# Altium PCB 400150.PcbDoc (part 1 of 3) (continued)
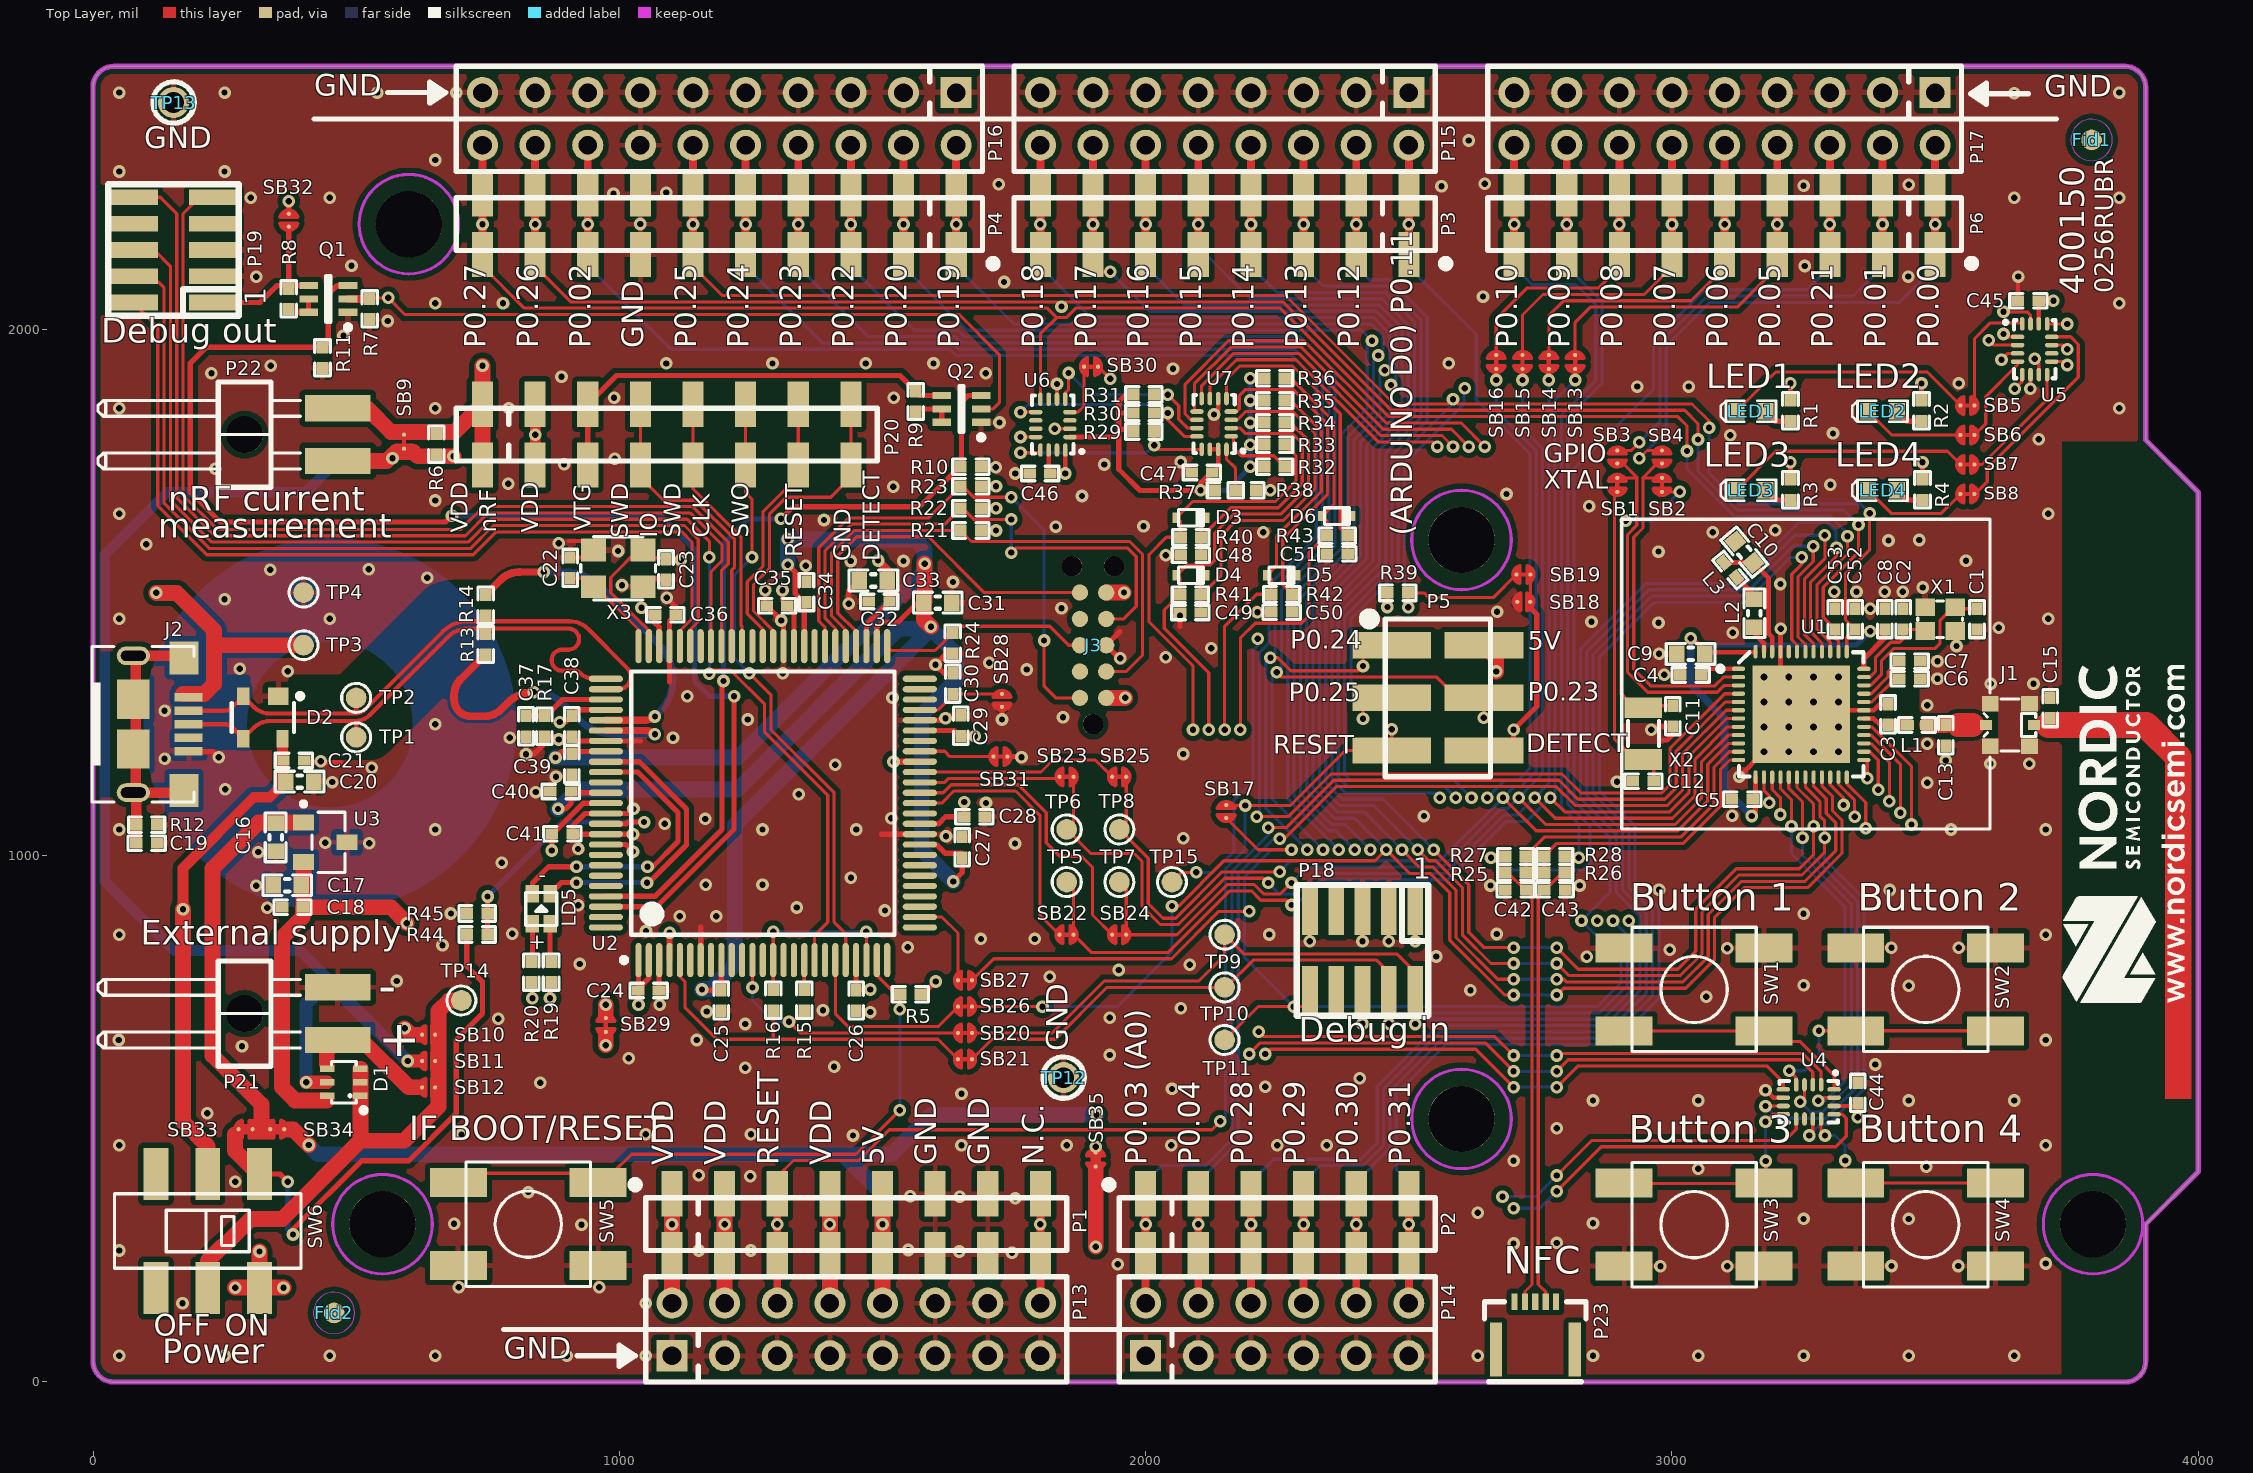
[diagram p0: Top Layer view]
## Footprints (in the part's own frame and the unit in brackets; to place one, negate y for a bottom-side part, rotate by r counter-clockwise, add the part's x,y. Pads: shape width x height; smd on the part's side, far side on the other; paste and mask are expansions set on the pad) (continued)
  rect 0.6x0.55 smd: 1(-0.5,0) 2(0.5,0)
  silkscreen extent -0.87,-0.38 0.88,0.38, body extent -0.5,-0.25 0.5,0.25, height 0.3
SOCKET_1x6_SMD [mm] "Socket, 2.54mm, SMD"
  rect 1.02x2.19 smd: 1(0,-1.465) 1(0,1.465) 2(2.54,-1.465) 2(2.54,1.465) 3(5.08,-1.465) 3(5.08,1.465) 4(7.62,-1.465) 4(7.62,1.465) 5(10.16,-1.465) 5(10.16,1.465) 6(12.7,1.465) 6(12.7,-1.465)
  silkscreen extent -1.27,-1.27 13.97,1.27, body extent -1.27,-2.29 13.97,2.29, height 7.47
SOCKET_1x8_SMD [mm] "Socket, 2.54mm, SMD"
  rect 1.02x2.19 smd: 1(0,-1.465) 1(0,1.465) 2(2.54,-1.465) 2(2.54,1.465) 3(5.08,-1.465) 3(5.08,1.465) 4(7.62,-1.465) 4(7.62,1.465) 5(10.16,-1.465) 5(10.16,1.465) 6(12.7,1.465) 6(12.7,-1.465) 7(15.24,-1.465) 7(15.24,1.465) 8(17.78,-1.465) 8(17.78,1.465)
  silkscreen extent -1.27,-1.27 19.05,1.27, body extent -1.27,-2.29 19.05,2.29, height 7.47
SOCKET_1x9_SMD [mm] "Socket, 2.54mm, SMD"
  rect 1.02x2.19 smd: 1(0,1.465) 1(0,-1.465) 2(2.54,-1.465) 2(2.54,1.465) 3(5.08,-1.465) 3(5.08,1.465) 4(7.62,-1.465) 4(7.62,1.465) 5(10.16,-1.465) 5(10.16,1.465) 6(12.7,1.465) 6(12.7,-1.465) 7(15.24,-1.465) 7(15.24,1.465) 8(17.78,-1.465) 8(17.78,1.465) 9(20.32,-1.465) 9(20.32,1.465)
  silkscreen extent -1.27,-1.27 21.59,1.27, body extent -1.26,-2.3 21.6,2.28, height 7.47
SOCKET_1x10_SMD [mm] "Socket, 2.54mm, SMD"
  rect 1.02x2.19 smd: 1(0,1.465) 1(0,-1.465) 2(2.54,-1.465) 2(2.54,1.465) 3(5.08,-1.465) 3(5.08,1.465) 4(7.62,-1.465) 4(7.62,1.465) 5(10.16,-1.465) 5(10.16,1.465) 6(12.7,-1.465) 6(12.7,1.465) 7(15.24,-1.465) 7(15.24,1.465) 8(17.78,-1.465) 8(17.78,1.465) 9(20.32,-1.465) 9(20.32,1.465) 10(22.86,-1.465) 10(22.86,1.465)
  silkscreen extent -1.27,-1.27 24.13,1.27, body extent -1.27,-2.29 24.13,2.29, height 7.47
SOCKET_2x3_SMD-2.54mm-bottom-NC [mm] "Socket, 2.54mm, SMD"
  rect 1.02x2.22 smd far side: 1(-2.54,-2.825) 2(-2.54,2.825) 3(0,-2.825) 4(0,2.825) 5(2.54,-2.825) 6(2.54,2.825)
SOD-523 [mm]
  rect 0.4x0.5 smd: 1(0.7,0) 3(-0.7,0)
  silkscreen extent -0.6,-0.4 0.6,0.4, body extent -0.8,-0.4 0.8,0.4, height 0.7
Solderbridge#1 [mm]
  round 0.2 smd paste-10: 1(-0.312,0) 2(0.312,0)
  Top Layer region: -0.077,-0.432 -0.152,-0.505 -0.271,-0.467 -0.335,-0.424 -0.409,-0.351 -0.462,-0.292 -0.521,-0.193 -0.549,-0.099 -0.544,0.122 -0.518,0.193 -0.434,0.33 -0.351,0.411 -0.259,0.469 -0.157,0.5 -0.107,0.483 -0.077,0.43
  Top Layer region: 0.077,0.432 0.152,0.505 0.271,0.467 0.335,0.424 0.409,0.351 0.462,0.292 0.521,0.193 0.549,0.099 0.544,-0.122 0.518,-0.193 0.434,-0.33 0.351,-0.411 0.259,-0.469 0.157,-0.5 0.107,-0.483 0.077,-0.43
  Top Layer lines w0.152: -0.153,0.431 ccw(c-0.042,0) -0.153,-0.431 ; 0.153,0.431 cw(c0.042,0) 0.153,-0.431
Solderbridge#2 [mm]
  round 0.2 smd paste-10: 1(-0.312,0) 2(0.312,0)
  Top Layer region: -0.077,-0.432 -0.152,-0.505 -0.271,-0.467 -0.335,-0.424 -0.409,-0.351 -0.462,-0.292 -0.521,-0.193 -0.549,-0.099 -0.544,0.122 -0.518,0.193 -0.434,0.33 -0.351,0.411 -0.259,0.469 -0.157,0.5 -0.107,0.483 -0.077,0.43
  Top Layer region: 0.077,0.432 0.152,0.505 0.271,0.467 0.335,0.424 0.409,0.351 0.462,0.292 0.521,0.193 0.549,0.099 0.544,-0.122 0.518,-0.193 0.434,-0.33 0.351,-0.411 0.259,-0.469 0.157,-0.5 0.107,-0.483 0.077,-0.43
  Top Layer lines w0.152: 0.153,-0.431 ccw(c0.042,0) 0.487,0 ccw(c0.042,0) 0.153,0.431 ; -0.153,-0.431 cw(c-0.042,0) -0.487,0 cw(c-0.042,0) -0.153,0.431
Solderbridge_Shorted [mm]
  round 0.2 smd paste-10: 1(-0.338,0) 2(0.338,0)
  Top Layer region: 0.102,0.432 0.178,0.505 0.296,0.467 0.361,0.424 0.434,0.351 0.488,0.292 0.546,0.193 0.574,0.099 0.569,-0.122 0.544,-0.193 0.46,-0.33 0.376,-0.411 0.284,-0.469 0.183,-0.5 0.132,-0.483 0.102,-0.43
  Top Layer region: -0.102,-0.432 -0.178,-0.505 -0.296,-0.467 -0.361,-0.424 -0.434,-0.351 -0.488,-0.292 -0.546,-0.193 -0.574,-0.099 -0.569,0.122 -0.544,0.193 -0.46,0.33 -0.376,0.411 -0.284,0.469 -0.183,0.5 -0.132,0.483 -0.102,0.43
  Top Layer lines w0.152: -0.178,0.431 ccw(c-0.068,0) -0.178,-0.431 ; 0.178,0.431 cw(c0.068,0) 0.178,-0.431
  Top Layer lines w0.203: -0.338,0 0.338,0
Solderbridge_Shorted_Power [mm]
  round 0.2 smd paste-10: 1(-0.338,0) 2(0.338,0)
  Top Layer region: -0.102,-0.432 -0.178,-0.505 -0.296,-0.467 -0.361,-0.424 -0.434,-0.351 -0.488,-0.292 -0.546,-0.193 -0.574,-0.099 -0.569,0.122 -0.544,0.193 -0.46,0.33 -0.376,0.411 -0.284,0.469 -0.183,0.5 -0.132,0.483 -0.102,0.43
  Top Layer region: 0.102,0.432 0.178,0.505 0.296,0.467 0.361,0.424 0.434,0.351 0.488,0.292 0.546,0.193 0.574,0.099 0.569,-0.122 0.544,-0.193 0.46,-0.33 0.376,-0.411 0.284,-0.469 0.183,-0.5 0.132,-0.483 0.102,-0.43
  Top Layer lines w0.152: -0.178,-0.431 cw(c-0.068,0) -0.178,0.431 ; 0.178,-0.431 ccw(c0.068,0) 0.178,0.431
  Top Layer lines w0.508: -0.338,0 0.338,0
SOT65P210X100-6N [mm] "SOT23, 6-Leads, Body 2,2x2,4mm (max), Pitch 0,65mm, IPC Medium Density"
  rect 0.9x0.35 smd: 1(-0.95,0.65) 2(-0.95,0) 3(-0.95,-0.65) 4(0.95,-0.65) 5(0.95,0) 6(0.95,0.65)
  silkscreen extent -1.08,-1.1 0.1,1.5, body extent -1.05,-1 1.05,1, height 0.92
SOT190P230X110-4L [mm] "SOT143, 4-Leads, Body 3.0x2.5mm (max), Pitch 1.90mm, IPC High Density"
  rect 0.85x1 smd: 1(-1.025,0.75)
  rect 0.85x0.6 smd: 2(-1.025,-0.95) 3(1.025,-0.95) 4(1.025,0.95)
  silkscreen extent -1.15,-1.5 0.7,1.93, body extent -1.21,-1.46 1.21,1.46, height 1
SOT-23A [mil] "SOT-23 footprint"
  rect 30x40 smd: 1(0,0) 2(74.8,0) 3(37.4,82.68)
  silkscreen extent -39,-4 94,79, body extent -20,-5 95,87, height 39
SOT-363 [mm] "SOT-363 (SC88)"
  rect 0.3x0.7 smd: 1(-0.65,-0.8) 2(0,-0.8) 3(0.65,-0.8) 4(0.65,0.8) 5(0,0.8) 6(-0.65,0.8)
  silkscreen extent -1.47,-1.07 1,0.6, body extent -1,-1.05 1,1.05, height 0.93
Switch-PB-6.2x6.3mm-SMD [mm] "6.2×6.5mm TACT Switch, without ground connector"
  rect 2.75x1.4 smd: 1(-3.375,2) 1(3.375,2) 2(-3.375,-2) 2(3.375,-2)
  silkscreen extent -3,-3 3,3, body extent -4,-3 4,3.3, height 3.1
Switch-Slide-DPDT-8.5x3.6mm [mm] "Slide Switches - DPDT, SMD, ON-ON"
  rect 1.2x2.5 smd: 1(-2.5,-2.75) 2(0,-2.75) 3(2.5,-2.75) 4(-2.5,2.75) 5(0,2.75) 6(2.5,2.75)
  silkscreen extent -4.5,-1.8 4.5,1.8, body extent -4.52,-3.75 4.52,3.75, height 5.5
TC2050-IDC-NLFP [mil]
  round 39 hole 39 unplated: 0(-150,0) 0(150,-40) 0(150,40)
  round 31 smd paste-196.85: 1(-100,-25) 2(-50,-25) 3(0,-25) 4(50,-25) 5(100,-25) 6(100,25) 7(50,25) 8(0,25) 9(-50,25) 10(-100,25)
  Top Layer pour cut-out: -100,25 -100,-25 100,-25 100,25
TESTPAD-TH [mm]
  round 1.5 hole 1: 1(0,0)
  silkscreen extent -1,-1 1,1
TP_SMD_Ø1.0mm [mm]
  round 1 smd paste-5: 1(0,0)
  silkscreen extent -0.7,-0.7 0.7,0.7
TSQFP50P1600X1600X160-100N [mm] "TSQFP, 100-Leads, Body 16,0x16,0mm (max), Pitch 0,50mm, IPC Medium Density"
  oval 1.65x0.3 smd: 1(-7.575,6) 2(-7.575,5.5) 3(-7.575,5) 4(-7.575,4.5) 5(-7.575,4) 6(-7.575,3.5) 7(-7.575,3) 8(-7.575,2.5) 9(-7.575,2) 10(-7.575,1.5) 11(-7.575,1) 12(-7.575,0.5) 13(-7.575,0) 14(-7.575,-0.5) 15(-7.575,-1) 16(-7.575,-1.5) 17(-7.575,-2) 18(-7.575,-2.5) 19(-7.575,-3) 20(-7.575,-3.5) 21(-7.575,-4) 22(-7.575,-4.5) 23(-7.575,-5) 24(-7.575,-5.5) 25(-7.575,-6) 51(7.575,-6) 52(7.575,-5.5) 53(7.575,-5) 54(7.575,-4.5) 55(7.575,-4) 56(7.575,-3.5) 57(7.575,-3) 58(7.575,-2.5) 59(7.575,-2) 60(7.575,-1.5) 61(7.575,-1) 62(7.575,-0.5) 63(7.575,0) 64(7.575,0.5) 65(7.575,1) 66(7.575,1.5) 67(7.575,2) 68(7.575,2.5) 69(7.575,3) 70(7.575,3.5) 71(7.575,4) 72(7.575,4.5) 73(7.575,5) 74(7.575,5.5) 75(7.575,6)
  oval 0.3x1.65 smd: 26(-6,-7.575) 27(-5.5,-7.575) 28(-5,-7.575) 29(-4.5,-7.575) 30(-4,-7.575) 31(-3.5,-7.575) 32(-3,-7.575) 33(-2.5,-7.575) 34(-2,-7.575) 35(-1.5,-7.575) 36(-1,-7.575) 37(-0.5,-7.575) 38(0,-7.575) 39(0.5,-7.575) 40(1,-7.575) 41(1.5,-7.575) 42(2,-7.575) 43(2.5,-7.575) 44(3,-7.575) 45(3.5,-7.575) 46(4,-7.575) 47(4.5,-7.575) 48(5,-7.575) 49(5.5,-7.575) 50(6,-7.575) 76(6,7.575) 77(5.5,7.575) 78(5,7.575) 79(4.5,7.575) 80(4,7.575) 81(3.5,7.575) 82(3,7.575) 83(2.5,7.575) 84(2,7.575) 85(1.5,7.575) 86(1,7.575) 87(0.5,7.575) 88(0,7.575) 89(-0.5,7.575) 90(-1,7.575) 91(-1.5,7.575) 92(-2,7.575) 93(-2.5,7.575) 94(-3,7.575) 95(-3.5,7.575) 96(-4,7.575) 97(-4.5,7.575) 98(-5,7.575) 99(-5.5,7.575) 100(-6,7.575)
  silkscreen extent -7.7,-6.35 6.35,6.82, body extent -8,-8 8,8, height 1.6
USB-Micro-B-RA-SMD-PiP [mm] "Micro USB B SMT"
  rect 1.35x0.4 smd: 1(0,1.3) 2(0,0.65) 3(0,0) 4(0,-0.65) 5(0,-1.3)
  oval 1.6x0.9 hole 0.5 slot 1.2 at 0 deg: 6(-2.675,-3.3) 6(-2.675,3.3)
  oval 2x1.5 on Top Paste: 6(-2.675,-3.3) 6(-2.675,3.3)
  rect 1.55x1.9 smd: 6(-2.675,-1.2) 6(-2.675,1.2)
  rect 1.4x1.6 smd: 6(-0.225,-3.2) 6(-0.225,3.2)
  silkscreen extent -4.75,-3.75 0.25,3.75, body extent -5.28,-4.1 0.15,4.1, height 2.72
XQFN40P180X260X50-16N [mm] "QFN, 16-Leads, Body 1.80x2.60mm, Pitch 0.40mm, IPC Medium Density"
  oval 0.65x0.22 smd paste-0.02 mask+0.062: 1(-0.825,0.6) 2(-0.825,0.2) 3(-0.825,-0.2) 4(-0.825,-0.6) 9(0.825,-0.6) 10(0.825,-0.2) 11(0.825,0.2) 12(0.825,0.6)
  oval 0.22x0.65 smd paste-0.02 mask+0.062: 5(-0.6,-1.225) 6(-0.2,-1.225) 7(0.2,-1.225) 8(0.6,-1.225) 13(0.6,1.225) 14(0.2,1.225) 15(-0.2,1.225) 16(-0.6,1.225)
  silkscreen extent -1.45,-1.4 1,1.4, body extent -0.91,-1.31 0.91,1.31, height 0.55
XTAL_3215 [mm] "XTAL SMD 3.2 x 1.5 mm"
  rect 1x1.8 smd: 1(-1.25,0) 2(1.25,0)
  silkscreen extent -0.6,-0.75 0.6,0.75, body extent -1.6,-0.75 1.6,0.75, height 0.81

## Part data
Bat1: library part "Bat Holder CR2032 SMD", "Bat Holder CR2032 SMD", 2nd source part number=165-0693, Manufacturer=Comfortable, Manufacturer Part Number=BC-2001, Supplier part number="BC-2001/T & R", 2nd source Supplier=Farnell, Artikkelnr Noca=55089011, Artikkelnr Simpro=N.A., Datasheet=\\hizz\pro\app9717\Datasheet\connectores\Comfortable\BC-2001.pdf, Footprint Doc=CR2032_HOLDER_SMD, LatestRevisionDate=2016-04-21, Note="Bat Holder CR2032", Part Number="Bat Holder CR2032 SMD", Pin Count=3, Published=2009-12-12, Publisher="Nordic Semiconductor", Supplier=Cabcon
C1 C2 C11 C12 C52 C53: library part C0402-12p, "Capacitor, NP0, ±2%", Part number IPS=00000002398, Artikkelnr Noca=20029159, Artikkelnr Simpro=N.A., Footprint Doc=0402, LatestRevisionDate=2011-05-11, Note=50V, Part Number=C0402-12p, Pin Count=2, Published=2009-05-08, Publisher="Nordic Semiconductor"
C3: library part C0402-0.8p, "Capacitor, NP0, ±5%", Artikkelnr Noca=20029147, Artikkelnr Simpro=N.A., Footprint Doc=0402, LatestRevisionDate=2012-11-21, Note=50V, Part Number=C0402-0.8p, Pin Count=2, Published=2009-05-08, Publisher="Nordic Semiconductor"
C4 C5 C8 C18 C19 C21 C24 C25 C26 C27 C28 C29 C32 C34 C35 C36 C38 C39 C40 C41 C44 C45 C46 C47: library part C0402-100n, "Capacitor, X7R, ±10%", Part number IPS=00000005296, Artikkelnr Noca=20039200, Artikkelnr Simpro=N.A., Footprint Doc=0402, LatestRevisionDate=2009-11-23, Note=16V, Part Number=C0402-100n, Pin Count=2, Published=2009-05-08, Publisher="Nordic Semiconductor"
C6 C13: library part C0402-N.C., "Not mounted", Artikkelnr Noca=N.A., Artikkelnr Simpro=N.A., Assembly="Not mounted", Footprint Doc=0402, LatestRevisionDate=2009-05-08, Note="Chip Cap", Part Number=C0402-N.C., Pin Count=2, Published=2009-05-08, Publisher="Nordic Semiconductor"
C7: library part C0402-100p, "Capacitor, NP0, ±5%", Part number IPS=00000002361, Artikkelnr Noca=20029135, Artikkelnr Simpro=N.A., Footprint Doc=0402, LatestRevisionDate=2009-05-08, Note=50V, Part Number=C0402-100p, Pin Count=2, Published=2009-05-08, Publisher="Nordic Semiconductor"
C9: library part C0603-4µ7, "Capacitor, X5R, ±10%", Part number IPS=00000003141, Artikkelnr Noca=20069060, Artikkelnr Simpro=N.A., Footprint Doc=0603, LatestRevisionDate=2009-11-23, Note=6.3V, Part Number=C0603-4µ7, Pin Count=2, Published=2009-05-08, Publisher="Nordic Semiconductor"
C10 C16 C17: library part C0603-1µ0, "Capacitor, X7R, ±10%", Part number IPS=00000000616, Artikkelnr Noca=20039335, Artikkelnr Simpro=N.A., Footprint Doc=0603, LatestRevisionDate=2013-06-05, Note=16V, Part Number=C0603-1µ0, Pin Count=2, Published=2009-05-08, Publisher="Nordic Semiconductor"
C15: library part C0402-1.2p, "Capacitor, NP0, ±0.1pF", Part number IPS=00000005410, Artikkelnr Noca=20029157, Artikkelnr Simpro=N.A., Footprint Doc=0402, LatestRevisionDate=2011-05-11, Note=50V, Part Number=C0402-1.2p, Pin Count=2, Published=2009-05-08, Publisher="Nordic Semiconductor"
C20 C31 C33: library part C0603-10µ, "Capacitor, X5R, ±20%", Part number IPS=00000003029, Artikkelnr Noca=20039234, Artikkelnr Simpro=N.A., Footprint Doc=0603, LatestRevisionDate=2011-01-17, Note=6.3V, Part Number=C0603-10µ, Pin Count=2, Published=2011-01-17, Publisher="Nordic Semiconductor"
C22 C23: library part C0402-18p, "Capacitor, NP0, ±5%", Artikkelnr Noca=20029209, Artikkelnr Simpro=N.A., Footprint Doc=0402, LatestRevisionDate=2009-05-08, Note=50V, Part Number=C0402-18p, Pin Count=2, Published=2009-05-08, Publisher="Nordic Semiconductor"
C30: library part C0402-10n, "Capacitor, X7R, ±10%", Part number IPS=00000002386, Artikkelnr Noca=20039166, Artikkelnr Simpro=N.A., Footprint Doc=0402, LatestRevisionDate=2009-11-23, Note=16V, Part Number=C0402-10n, Pin Count=2, Published=2009-05-08, Publisher="Nordic Semiconductor"
C37: library part C0402-10p, "Capacitor, NP0, ±2%", 2nd source part number=185-6064, Supplier part number=712-1252-1-ND, 2nd source Supplier=Farnell, Artikkelnr Noca=20029260, Artikkelnr Simpro=N.A., Footprint Doc=0402, LatestRevisionDate=2009-05-08, Note=50V, Part Number=C0402-10p, Pin Count=2, Published=2009-05-08, Publisher="Nordic Semiconductor", Supplier=Digi-Key
C42 C43: library part C0402-300p, "Capacitor, NP0, ±5%", Supplier part number=490-3234-1-ND, Artikkelnr Noca=20020004, Artikkelnr Simpro=N.A., Footprint Doc=0402, LatestRevisionDate=2016-08-25, Note=50V, Part Number=C0402-300p, Pin Count=2, Published=2015-05-29, Publisher="Nordic Semiconductor", Supplier=Digi-Key
C48 C49 C50 C51: library part C0402-1µ0, "Capacitor, X5R, ±5%", Part number IPS=00000006569, Supplier part number=1276-1444-1-ND, Artikkelnr Noca=20039235, Artikkelnr Simpro=N.A., Footprint Doc=0402, LatestRevisionDate=2016-08-22, Note=6.3V, Part Number=C0402-1µ0, Pin Count=2, Published=2009-05-08, Publisher="Nordic Semiconductor", Supplier=Digi-Key
D1: "Surface Mount Schottky Barrier Diode Array", 2nd source part number=177-3507, Manufacturer="Diodes Incorporated", Supplier part number=SD103ATW-FDITR-ND, 2nd source Supplier=Farnell, Artikkelnr Noca=10029109, Artikkelnr Simpro=N.A., Datasheet=http://www.diodes.com/datasheets/ds30374.pdf, Footprint Doc=SOT-363, LatestRevisionDate=2012-06-15, Manufacturer Part Number=SD103ATW-7-F, Part Number=SD103ATW-7-F, Published=2012-06-15, Publisher="Nordic Semiconductor", Supplier=Digi-Key
D2: "Ultra low capacitance double rail-to-rail ESD protection diode", 2nd source part number=152-4157, Manufacturer=NXP, Supplier part number=568-4140-1-ND, 2nd source Supplier=Farnell, Artikkelnr Noca=10069015, Artikkelnr Simpro=N.A., Datasheet=http://www.farnell.com/datasheets/109718.pdf, Footprint Doc=SOT-143B, LatestRevisionDate=2012-06-11, Manufacturer Part Number=PRTR5V0U2X, Part Number=PRTR5V0U2X, Published=2012-06-11, Publisher="Nordic Semiconductor", Supplier=Digi-Key
D3 D4 D5 D6: "Diode Schottky Vf=0.38, Vr=40V, If=200mA, Ir=500nA", 2nd source part number=873-4097, Manufacturer=NXP, Supplier part number=568-5973-1-ND, 2nd source Supplier=Farnell, Artikkelnr Noca=10029120, Artikkelnr Simpro=N.A., Datasheet=http://www.nxp.com/documents/data_sheet/1PS79SB30.pdf, Footprint Doc=SOD-523, LatestRevisionDate=2016-08-26, Manufacturer Part Number=1PS79SB30.115, Part Number=1PS79SB30.115, Pin Count=2, Published=2014-09-24, Publisher="Nordic Semiconductor", Supplier=Digi-Key
Fid1 Fid2: library part Fid-Mark, "Fiducial Mark", Artikkelnr Noca=N.A., Artikkelnr Simpro=N.A., Footprint Doc=Fiducial, LatestRevisionDate=2009-12-12, Part Number=Fid-Mark, Pin Count=1, Published=2009-12-12, Publisher="Nordic Semiconductor"
J1: "Coaxial Connector with Switch", 2nd source part number=81-MM8130-2600RA2, Manufacturer=Murata, Supplier part number=490-4981-1-ND, 2nd source Supplier=Mouser, Artikkelnr Noca=55029011, Artikkelnr Simpro=N.A., Datasheet=http://www.murata.com/products/catalog/pdf/o33e.pdf, Footprint Doc=COAXIAL-SWF, LatestRevisionDate=2014-04-24, Manufacturer Part Number=MM8130-2600, Part Number=MM8130-2600, Pin Count=3, Published=2014-04-24, Publisher="Nordic Semiconductor", Supplier=Digi-Key
J2: library part USB-Micro-B-RA-SMD-PiP, "MicroUSB-B-SMT", 2nd source part number=609-4616-1-ND, Manufacturer="Allen Creations Corp.", Manufacturer Part Number=AJU55-BS2111-L, 2nd source Supplier=Digi-Key, Artikkelnr Noca=55029020, Artikkelnr Simpro=N.A., Datasheet="\\hizz\pro\app9717\Datasheet\connectores\Allen Creations Corp\AJU-211.pdf", Footprint Doc=USB-Micro-B-RA-SMD-PiP, LatestRevisionDate=2016-04-21, Part Number=USB-Micro-B-RA-SMD-PiP, Pin Count=5, Published=2014-10-07, Publisher="Nordic Semiconductor", Supplier=Cabcon, Supplier part number=AJU55-BS2111-L
J3: library part TC2050-IDC-NLFP, "CBL PLUG-OF-NAILS 10-PIN", Manufacturer="Tag-Connect LLC", Supplier part number=TC2050-IDC-NL-ND, Artikkelnr Noca=N.A., Artikkelnr Simpro=N.A., Datasheet=http://www.tag-connect.com/Materials/TC2050-IDC%20Datasheet.pdf, Footprint Doc=TC2050-IDC-NLFP, LatestRevisionDate=2012-11-21, Manufacturer Part Number=TC2050-IDC-NLFP, Part Number=TC2050-IDC-NLFP, Pin Count=10, Published=2012-11-21, Publisher="Nordic Semiconductor", Supplier=Digi-Key
L1: library part L0402-3n9, "Inductor, 170mA, ±0.1nH", Manufacturer=Murata, Manufacturer Part Number=LQP15MN3N9B02D, Supplier part number=490-1131-1-ND, Artikkelnr Noca=33029151, Artikkelnr Simpro=N.A., ComponentLink1Description=Datasheet, ComponentLink2Description="Supplier link", Datasheet=http://search.murata.co.jp/Ceramy/image/img/PDF/ENG/L0075S0084LQP15M.pdf, Footprint Doc=0402, LatestRevisionDate=2012-09-19, Note="High frequency chip inductor ±5%", Part Number=L0402-3n9, Pin Count=2, Published=2009-05-08, Publisher="Nordic Semiconductor", Supplier=Digi-Key
L2: library part L0603-10µ, "Inductor, 80mA, ±10%", 2nd source part number=178-6105, Manufacturer="Taiyo Yuden", Manufacturer Part Number=LBMF1608T100K, Supplier part number=587-1714-1-ND, 2nd source Supplier=Farnell, Artikkelnr Noca=33029314, Artikkelnr Simpro=N.A., ComponentLink1Description=Datasheet, ComponentLink2Description="Supplier link", Datasheet=http://www.yuden.co.jp/ut/product/pdf/elb2_e.pdf, Footprint Doc=0603, LatestRevisionDate=2012-09-19, Note="LBMF1608T100K 10µH 80mA 0603", Part Number=L0603-10µ, Pin Count=2, Published=2010-02-24, Publisher="Nordic Semiconductor", Supplier=Digi-Key
L3: library part L0402-15n, "Inductor, 320mA, ±5%", 2nd source part number=658-1328, Manufacturer="Taiyo Yuden", Manufacturer Part Number=HK100515NJ-T, Supplier part number=587-1521-1-ND, 2nd source Supplier=Farnell, Artikkelnr Noca=33029323, Artikkelnr Simpro=N.A., ComponentLink1Description=Datasheet, ComponentLink2Description="Supplier link", Datasheet=http://www.yuden.co.jp/productdata/catalog/en/mlci04_e.pdf, Footprint Doc=0402, LatestRevisionDate=2012-09-19, Note="High frequency chip inductor ±10%", Part Number=L0402-15n, Pin Count=2, Published=2010-07-12, Publisher="Nordic Semiconductor", Supplier=Digi-Key
LD5: library part LTST-C195KGJRKT, "Ultra bright AlInGaP Bi-Color LED", 2nd source part number=859-LTST-C195KGJRKT, Manufacturer="Lite-On Inc", Supplier part number=160-1452-1-ND, 2nd source Supplier=Mouser, Artikkelnr Noca=13019145, Artikkelnr Simpro=N.A., Datasheet=http://media.digikey.com/pdf/Data%20Sheets/Lite-On%20PDFs/LTST-C195KGJRKT.pdf, Footprint Doc=LED_DUAL_0606, LatestRevisionDate=2013-02-11, Manufacturer Part Number=LTST-C195KGJRKT, Part Number=LTST-C195KGJRKT, Pin Count=4, Published=2012-07-05, Publisher="Nordic Semiconductor", Supplier=Digi-Key
LED1 LED2 LED3 LED4: library part "LG L29K Smartled Green", "LED SMARTLED GREEN 570NM 0603", 2nd source part number=720-LGL29KG2J124Z, Manufacturer=Osram, Manufacturer Part Number="LG L29K-G2J1-24-Z", Supplier part number=475-2709-1-ND, 2nd source Supplier=Mouser, Artikkelnr Noca=13019147, Artikkelnr Simpro=N.A., Datasheet=http://www.osram-os.com/Graphics/XPic2/00077107_0.pdf, Footprint Doc=0603, LatestRevisionDate=2016-08-26, Note="2,24..5.6 mcd, Vfmin=1.7V", Part Number="LG L29K Smartled Green", Pin Count=2, Published=2014-10-28, Publisher="Nordic Semiconductor", Supplier=Digi-Key
P1 P3: library part "Socket 1x8 SMD", "Socket 1x8, 2.54mm (100mil), SMD", 2nd source part number=SSM-108-F-SV-P-TR, Manufacturer=W-CON, Manufacturer Part Number=2171-108MS0CUNR1, 2nd source Supplier=Samtec, Artikkelnr Noca=55030002, Artikkelnr Simpro=N.A., Footprint Doc=SOCKET_1x8_SMD, LatestRevisionDate=2016-01-22, Part Number="Socket 1x8 SMD", Pin Count=8, Published=2016-01-22, Publisher="Nordic Semiconductor", Supplier=Cabcon, Supplier part number=2171-108MS0CUNR1
P2: library part "Socket 1x6 SMD", "Socket 1x6, 2.54mm (100mil), SMD", 2nd source part number=SSM-106-F-SV-P-TR, Manufacturer=W-CON, Manufacturer Part Number=2171-106MS0CUNR1, 2nd source Supplier=Samtec, Artikkelnr Noca=55030001, Artikkelnr Simpro=N.A., Footprint Doc=SOCKET_1x6_SMD, LatestRevisionDate=2016-01-22, Part Number="Socket 1x6 SMD", Pin Count=6, Published=2016-01-22, Publisher="Nordic Semiconductor", Supplier=Cabcon, Supplier part number=2171-106MS0CUNR1
P4: library part "Socket 1x10 SMD", "Socket 1x10, 2.54mm (100mil), SMD", 2nd source part number=SSM-110-F-SV-P-TR, Manufacturer=W-CON, Manufacturer Part Number=2171-110MS0CUNR1, 2nd source Supplier=Samtec, Artikkelnr Noca=55030004, Artikkelnr Simpro=N.A., Footprint Doc=SOCKET_1x10_SMD, LatestRevisionDate=2016-01-22, Part Number="Socket 1x10 SMD", Pin Count=10, Published=2016-01-22, Publisher="Nordic Semiconductor", Supplier=Cabcon, Supplier part number=2171-110MS0CUNR1
P5: library part "Pin Header 2x3 SMD", "Pin Header 2x3, 2.54mm (100mil) SMD", 2nd source part number=TSM-103-01-L-DV, Manufacturer=W-CON, Manufacturer Part Number=1125-1203S0M116R1, 2nd source Supplier=Samtec, Artikkelnr Noca=55010007, Artikkelnr Simpro=N.A., Datasheet=\\hizz\pro\app9717\Datasheet\connectores\W-CON\1125-12XXXXMXXXXX.PDF, Footprint Doc=HDR_2x3-SMD, LatestRevisionDate=2016-01-22, Note=SMD, Part Number="Pin Header 2x3 SMD", Pin Count=6, Published=2016-01-22, Publisher="Nordic Semiconductor", Supplier=Cabcon, Supplier part number=1125-1203S0M116R1
P6: library part "Socket 1x9 SMD", "Socket 1x9, 2.54mm (100mil), SMD", 2nd source part number=SSM-109-L-SV, Manufacturer=W-CON, Manufacturer Part Number=2171-109MS0CUNR1, 2nd source Supplier=Samtec, Artikkelnr Noca=55030003, Artikkelnr Simpro=N.A., Footprint Doc=SOCKET_1x9_SMD, LatestRevisionDate=2016-01-22, Part Number="Socket 1x9 SMD", Pin Count=9, Published=2016-01-22, Publisher="Nordic Semiconductor", Supplier=Cabcon, Supplier part number=2171-109MS0CUNR1
P7 P9: library part "Pin List 1x8 SMD, N.C.", "Pin List 1x8, 2.54mm (100mil), SMD", 2nd source part number=TSM-108-01-L-SV-P-TR, Manufacturer=W-CON, Manufacturer Part Number=1125-1108S0M116R2, 2nd source Supplier=Samtec, Artikkelnr Noca=55010006, Artikkelnr Simpro=N.A., Assembly="Not mounted", Datasheet=\\hizz\pro\app9717\Datasheet\connectores\W-CON\1125-11XXXXMXXXXX.pdf, Footprint Doc=LIST_1x8_SMD, LatestRevisionDate=2016-01-22, Part Number="Pin List 1x8 SMD, N.C.", Pin Count=8, Published=2016-01-22, Publisher="Nordic Semiconductor", Supplier=Cabcon, Supplier part number=1125-1108S0M116R2
P8: library part "Pin List 1x6 SMD, N.C.", "Pin List 1x6, 2.54mm (100mil), SMD", 2nd source part number=TSM-106-01-L-SV-P-TR, Manufacturer=W-CON, Manufacturer Part Number=1125-1106S0M116R2, 2nd source Supplier=Samtec, Artikkelnr Noca=55010026, Artikkelnr Simpro=N.A., Assembly="Not mounted", Datasheet=\\hizz\pro\app9717\Datasheet\connectores\W-CON\1125-11XXXXMXXXXX.pdf, Footprint Doc=LIST_1x6_SMD, LatestRevisionDate=2016-03-29, Part Number="Pin List 1x6 SMD, N.C.", Pin Count=6, Published=2016-03-29, Publisher="Nordic Semiconductor", Supplier=Cabcon, Supplier part number=1125-1106S0M116R2
P10: library part "Pin List 1x10 SMD, N.C.", "Pin List 1x10, 2.54mm (100mil), SMD", 2nd source part number=TSM-110-01-L-SV-P-TR, Manufacturer=W-CON, Manufacturer Part Number=1125-1110S0M116R2, 2nd source Supplier=Samtec, Artikkelnr Noca=55010028, Artikkelnr Simpro=N.A., Assembly="Not mounted", Datasheet=\\hizz\pro\app9717\Datasheet\connectores\W-CON\1125-11XXXXMXXXXX.pdf, Footprint Doc=LIST_1x10_SMD, LatestRevisionDate=2016-03-29, Part Number="Pin List 1x10 SMD, N.C.", Pin Count=10, Published=2016-03-29, Publisher="Nordic Semiconductor", Supplier=Cabcon, Supplier part number=1125-1110S0M116R2
P11: library part "Socket 2x3 SMD Bottom, N.C.", "Socket 2x3, 2.54mm (100mil), SMD", 2nd source part number=SSM-103-F-DV-P-TR, Manufacturer=W-CON, Manufacturer Part Number=2171-203MS0CUNR1, 2nd source Supplier=Samtec, Artikkelnr Noca=55030010, Artikkelnr Simpro=N.A., Assembly="Not mounted", Datasheet=\\hizz\pro\app9717\Datasheet\connectores\W-CON\2171-2XXMXXCUNXX.pdf, Footprint Doc=SOCKET_2x3_SMD-2.54mm-bottom, LatestRevisionDate=2016-03-29, Part Number="Socket 2x3 SMD Bottom, N.C.", Pin Count=6, Published=2014-06-10, Publisher="Nordic Semiconductor", Supplier=Cabcon, Supplier part number=2171-203MS0CUNR1
P12: library part "Pin List 1x9 SMD, N.C.", "Pin List 1x9, 2.54mm (100mil), SMD", 2nd source part number=TSM-109-01-L-SV-P-TR, Manufacturer=W-CON, Manufacturer Part Number=1125-1109S0M116R2, 2nd source Supplier=Samtec, Artikkelnr Noca=55010024, Artikkelnr Simpro=N.A., Assembly="Not mounted", Datasheet=\\hizz\pro\app9717\Datasheet\connectores\W-CON\1125-11XXXXMXXXXX.pdf, Footprint Doc=LIST_1x9_SMD, LatestRevisionDate=2016-06-02, Part Number="Pin List 1x9 SMD, N.C.", Pin Count=9, Published=2016-03-29, Publisher="Nordic Semiconductor", Supplier=Cabcon, Supplier part number=1125-1109S0M116R2
P13 P15: library part "Pin Header 2x8, N.C.", "Pin Header 2x8, 2.54mm (100mil)", Artikkelnr Noca=N.A., Artikkelnr Simpro=N.A., Assembly="Not mounted", Footprint Doc=HDR_2x8, LatestRevisionDate=2009-12-12, Part Number="Pin Header 2x8, N.C.", Pin Count=16, Published=2009-12-12, Publisher="Nordic Semiconductor"
P14: library part "Pin Header 2x6, N.C.", "Pin Header 2x6, 2.54mm (100mil)", Artikkelnr Noca=N.A., Artikkelnr Simpro=N.A., Assembly="Not mounted", Footprint Doc=HDR_2x6, LatestRevisionDate=2014-07-04, Part Number="Pin Header 2x6, N.C.", Pin Count=12, Published=2009-12-12, Publisher="Nordic Semiconductor"
P16: library part "Pin Header 2x10, N.C.", "Pin Header 2x10, 2.54mm (100mil)", Artikkelnr Noca=N.A., Artikkelnr Simpro=N.A., Assembly="Not mounted", Footprint Doc=HDR_2x10, LatestRevisionDate=2017-02-02, Part Number="Pin Header 2x10, N.C.", Pin Count=20, Published=2017-01-30, Publisher="Nordic Semiconductor"
P17: library part "Pin Header 2x9, N.C.", "Pin Header 2x9, 2.54mm (100mil)", Artikkelnr Noca=N.A., Artikkelnr Simpro=N.A., Assembly="Not mounted", Footprint Doc=HDR_2x9, LatestRevisionDate=2011-07-06, Part Number="Pin Header 2x9, N.C.", Pin Count=18, Published=2011-07-06, Publisher="Nordic Semiconductor"
P18 P19: library part "Pin Header 2x5 SMD, 1.27mm, KS", "Pin Header 2x5, 1.27mm (50mil), SMD, Keying Shroud", 2nd source part number=FTSH-105-01-F-DV-K, Manufacturer=W-CON, Manufacturer Part Number=3132-10MS0BK00R1, 2nd source Supplier=Samtec, Artikkelnr Noca=55010009, Artikkelnr Simpro=N.A., Datasheet=\\hizz\pro\app9717\Datasheet\connectores\W-CON\3132-XXMXXBK00XX.pdf, Footprint Doc=HDR_2x5-SMD-1.27mm, LatestRevisionDate=2016-04-21, Part Number="Pin Header 2x5 SMD, 1.27mm, KS", Pin Count=10, Published=2016-01-22, Publisher="Nordic Semiconductor", Supplier=Cabcon, Supplier part number=3132-10MS0BK00R1
P20: library part "Pin List 1x8 SMD", "Pin List 1x8, 2.54mm (100mil), SMD", 2nd source part number=TSM-108-01-L-SV-P-TR, Manufacturer=W-CON, Manufacturer Part Number=1125-1108S0M116R2, 2nd source Supplier=Samtec, Artikkelnr Noca=55010006, Artikkelnr Simpro=N.A., Datasheet=\\hizz\pro\app9717\Datasheet\connectores\W-CON\1125-11XXXXMXXXXX.pdf, Footprint Doc=LIST_1x8_SMD, LatestRevisionDate=2016-01-22, Part Number="Pin List 1x8 SMD", Pin Count=8, Published=2016-01-22, Publisher="Nordic Semiconductor", Supplier=Cabcon, Supplier part number=1125-1108S0M116R2
P21 P22: library part "Pin List Ang 1x2 SMD, 2.54mm", "Pin List 1x2, 2.54mm (100mil), Right Angled, SMD", 2nd source part number=TSM-102-01-L-SH-A, Manufacturer=W-CON, Manufacturer Part Number=1125B-1102S0Z135R2, 2nd source Supplier=Samtec, Artikkelnr Noca=55010023, Artikkelnr Simpro=N.A., Datasheet=\\hizz\pro\app9717\Datasheet\connectores\W-CON\1125B-11XXXXZXXXXX.pdf, Footprint Doc=LIST_ANG_1x2-SMD-2.54MM, LatestRevisionDate=2016-05-26, Part Number="Pin List Ang 1x2 SMD, 2.54mm", Pin Count=2, Published=2016-01-22, Publisher="Nordic Semiconductor", Supplier=Cabcon, Supplier part number=1125B-1102S0Z135R2
P23: library part FPC_05P-0.5mm-RA-SMD, "0.5mm FPC, 5P,Right Angle SMT,Double Contact,H=1.2mm,White, Tin plated", 2nd source part number=WM9836CT-ND, Manufacturer=W-CON, Manufacturer Part Number=5141-05RZDNWR01, 2nd source Supplier=Digi-Key, Artikkelnr Noca=55010020, Artikkelnr Simpro=N.A., Datasheet=\\hizz\pro\app9717\Datasheet\connectores\W-CON\5141-XXRZDNXX0X.pdf, Footprint Doc=FPC_05P-0.5mm-RA-SMD, LatestRevisionDate=2016-04-21, Part Number=FPC_05P-0.5mm-RA-SMD, Pin Count=7, Published=2015-06-22, Publisher="Nordic Semiconductor", Supplier=Cabcon, Supplier part number=5141-05RZDNWR01
Q1 Q2: "Fairchild, FDG6321C, Dual N & P Channel Digital FET", 2nd source part number=FDG6321CCT-ND, Manufacturer=Fairchild, Supplier part number=170-0689, 2nd source Supplier=Digi-Key, Artikkelnr Noca=35029089, Artikkelnr Simpro=N.A., Datasheet=http://www.fairchildsemi.com/ds/FD/FDG6321C.pdf, Footprint Doc=SC70-6, LatestRevisionDate=2011-05-11, Manufacturer Part Number=FDG6321C, Note="Dual N & P Channel Digital FET", Part Number=FDG6321C, Pin Count=6, Published=2009-09-16, Publisher="Nordic Semiconductor", Supplier=Farnell
R1 R2 R3 R4 R19 R20: library part R0402-220, "Resistor, ±1%, 0.063W", Supplier part number=173-8841, Value Ohm=220, Artikkelnr Noca=27049057, Artikkelnr Simpro=N.A., Footprint Doc=0402, LatestRevisionDate=2009-11-23, Note="Chip Res 1%", Part Number=R0402-220, Pin Count=2, Published=2009-05-08, Publisher="Nordic Semiconductor", Supplier=Farnell
R5 R8 R9 R10 R11 R12: library part R0402-10k, "Resistor, ±1%, 0.063W", Part number IPS=00000002093, Supplier part number=173-8864, Value Ohm=10000, Artikkelnr Noca=27049097, Artikkelnr Simpro=N.A., Footprint Doc=0402, LatestRevisionDate=2009-11-23, Note="Chip Res 1%", Part Number=R0402-10k, Pin Count=2, Published=2009-05-08, Publisher="Nordic Semiconductor", Supplier=Farnell
R6 R7 R27 R28 R37: library part R0402-N.C., "Not mounted", Artikkelnr Noca=N.A., Artikkelnr Simpro=N.A., Assembly="Not mounted", Footprint Doc=0402, LatestRevisionDate=2009-05-08, Note="Chip Res", Part Number=R0402-N.C., Pin Count=2, Published=2009-05-08, Publisher="Nordic Semiconductor"
R13 R14: library part R0402-39R, "Resistor, ±1%, 0.063W", Part number IPS=00000000821, Supplier part number=173-8831, Value Ohm=39, Artikkelnr Noca=27049039, Artikkelnr Simpro=N.A., Footprint Doc=0402, LatestRevisionDate=2009-11-23, Note="Chip Res 1%", Part Number=R0402-39R, Pin Count=2, Published=2009-05-08, Publisher="Nordic Semiconductor", Supplier=Farnell
R15 R16: library part R0402-150, "Resistor, ±1%, 0.063W", Supplier part number=173-8839, Value Ohm=150, Artikkelnr Noca=27049053, Artikkelnr Simpro=N.A., Footprint Doc=0402, LatestRevisionDate=2009-11-23, Note="Chip Res 1%", Part Number=R0402-150, Pin Count=2, Published=2009-05-08, Publisher="Nordic Semiconductor", Supplier=Farnell
R17: library part R0402-6k8, "Resistor, ±1%, 0.063W", Supplier part number=173-8862, Value Ohm=6800, Artikkelnr Noca=27049093, Artikkelnr Simpro=N.A., Footprint Doc=0402, LatestRevisionDate=2009-11-23, Note="Chip Res 1%", Part Number=R0402-6k8, Pin Count=2, Published=2009-05-08, Publisher="Nordic Semiconductor", Supplier=Farnell
R21 R22 R23 R24 R29 R30: library part R0402-4k7, "Resistor, ±1%, 0.063W", Part number IPS=00000003433, Supplier part number=173-8858, Value Ohm=4700, Artikkelnr Noca=27049089, Artikkelnr Simpro=N.A., Footprint Doc=0402, LatestRevisionDate=2009-11-23, Note="Chip Res 1%", Part Number=R0402-4k7, Pin Count=2, Published=2009-05-08, Publisher="Nordic Semiconductor", Supplier=Farnell
R25 R26 R38: library part R0402-0R, "Resistor, ±5%, 0.063W", Supplier part number=146-9661, Value Ohm=0, Artikkelnr Noca=27049000, Artikkelnr Simpro=N.A., Footprint Doc=0402, LatestRevisionDate=2009-11-23, Note="Chip Res 5%", Part Number=R0402-0R, Pin Count=2, Published=2009-05-08, Publisher="Nordic Semiconductor", Supplier=Farnell
R31 R32: library part R0402-12k, "Resistor, ±1%, 0.063W", Supplier part number=173-8865, Value Ohm=12000, Artikkelnr Noca=27049099, Artikkelnr Simpro=N.A., Footprint Doc=0402, LatestRevisionDate=2009-11-23, Note="Chip Res 1%", Part Number=R0402-12k, Pin Count=2, Published=2009-05-08, Publisher="Nordic Semiconductor", Supplier=Farnell
R33 R34 R35 R36: library part R0402-100k, "Resistor, ±1%, 0.063W", Part number IPS=00000003667, Supplier part number=173-8877, Value Ohm=100000, Artikkelnr Noca=27049121, Artikkelnr Simpro=N.A., Footprint Doc=0402, LatestRevisionDate=2009-11-23, Note="Chip Res 1%", Part Number=R0402-100k, Pin Count=2, Published=2009-05-08, Publisher="Nordic Semiconductor", Supplier=Farnell
R39: library part R0402-1M0, "Resistor, ±1%, 0.063W", Value Ohm=1000000, Artikkelnr Noca=27049145, Artikkelnr Simpro=N.A., Footprint Doc=0402, LatestRevisionDate=2009-11-23, Note="Chip Res 1%", Part Number=R0402-1M0, Pin Count=2, Published=2009-05-08, Publisher="Nordic Semiconductor"
R40 R41 R42 R43: library part R0402-18k, "Resistor, ±1%, 0.063W", Part number IPS=00000003300, Supplier part number=173-8867, Value Ohm=18000, Artikkelnr Noca=27049103, Artikkelnr Simpro=N.A., Footprint Doc=0402, LatestRevisionDate=2009-11-23, Note="Chip Res 1%", Part Number=R0402-18k, Pin Count=2, Published=2009-05-08, Publisher="Nordic Semiconductor", Supplier=Farnell
R44: library part R0402-33k, "Resistor, ±1%, 0.063W", Supplier part number=173-8870, Value Ohm=33000, Artikkelnr Noca=27049109, Artikkelnr Simpro=N.A., Footprint Doc=0402, LatestRevisionDate=2009-11-23, Note="Chip Res 1%", Part Number=R0402-33k, Pin Count=2, Published=2009-05-08, Publisher="Nordic Semiconductor", Supplier=Farnell
R45: library part R0402-47k, "Resistor, ±1%, 0.063W", Supplier part number=146-9719, Value Ohm=47000, Artikkelnr Noca=27049113, Artikkelnr Simpro=N.A., Footprint Doc=0402, LatestRevisionDate=2009-11-23, Note="Chip Res 1%", Part Number=R0402-47k, Pin Count=2, Published=2009-05-08, Publisher="Nordic Semiconductor", Supplier=Farnell
SB1 SB2 SB5 SB6 SB7 SB8 SB9 SB13 SB14 SB15 SB16 SB19 SB20 SB21 SB22 SB23 SB24 SB25 SB26 SB27 SB29 SB30 SB31: library part "Solderbridge Shorted", "Shorted Solderbridge", Artikkelnr Noca=N.A., Artikkelnr Simpro=N.A., Footprint Doc=Solderbridge_Shorted, LatestRevisionDate=2012-08-07, Part Number="Solderbridge Shorted", Pin Count=2, Published=2012-08-07, Publisher="Nordic Semiconductor"
SB33 SB34 SB35: library part "Solderbridge Shorted Power", "Shorted Solderbridge Power", Artikkelnr Noca=N.A., Artikkelnr Simpro=N.A., Footprint Doc=Solderbridge_Shorted_Power, LatestRevisionDate=2012-08-07, Part Number="Solderbridge Shorted Power", Pin Count=2, Published=2012-08-07, Publisher="Nordic Semiconductor"
SW1 SW2 SW3 SW4 SW5: library part Switch-PB-6.2x6.3mm-SMD, "Tactile Switch, SPNO, SMD, 160gf, 6.2x6.3x2.5mm", 2nd source part number=688-SKHUALE010, Manufacturer=Dailywell, Manufacturer Part Number=TS604VM1-025BR-R, 2nd source Supplier=Mouser, Artikkelnr Noca=50019106, Artikkelnr Simpro=N.A., Datasheet=\\hizz\pro\app9717\Datasheet\switches\Dailywell\TS604VM1-025BR-R.pdf, Footprint Doc=Switch-PB-6.2x6.3mm-SMD, LatestRevisionDate=2016-04-21, Part Number=Switch-PB-6.2x6.3mm-SMD, Pin Count=4, Published=2010-02-01, Publisher="Nordic Semiconductor", Supplier=Cabcon, Supplier part number=TS604VM1-025BR-R
SW6: library part Switch-Slide-DPDT-8.5x3.6mm, "SMD slide Switch (ON-ON)", 2nd source part number=401-2002-1-ND, Manufacturer=Dailywell, Manufacturer Part Number=SS206VM-G2-LLR-R, 2nd source Supplier=Digi-Key, Artikkelnr Noca=50019107, Artikkelnr Simpro=N.A., Datasheet=\\hizz\pro\app9717\Datasheet\switches\Dailywell\SS206VM-G2-LLR-R.pdf, Footprint Doc=Switch-Slide-DPDT-8.5x3.6mm, LatestRevisionDate=2016-04-21, Part Number=Switch-Slide-DPDT-8.5x3.6mm, Pin Count=6, Published=2014-06-24, Publisher="Nordic Semiconductor", Supplier=Cabcon, Supplier part number=SS206VM-G2-LLR-R
TP1 TP2 TP3 TP4 TP5 TP6 TP7 TP8 TP9 TP10 TP11 TP14 TP15: library part TP_SMD_Ø1.0MM, "1.0mm circular SMD testpad", Manufacturer="Nordic Semiconductor", Artikkelnr Noca=N.A., Artikkelnr Simpro=N.A., Footprint Doc=TP_SMD_Ø1.0mm, LatestRevisionDate=2013-06-11, Part Number=TP_SMD_Ø1.0MM, Pin Count=1, Published=2013-06-11, Publisher="Nordic Semiconductor"
TP12 TP13: library part "Testpoint TH", "Testpoint, through hole", Artikkelnr Noca=N.A., Artikkelnr Simpro=N.A., Footprint Doc=TESTPAD-TH, LatestRevisionDate=2009-12-12, Part Number="Testpoint TH", Pin Count=1, Published=2009-12-12, Publisher="Nordic Semiconductor"
U1: "Multi-protocol Bluetooth Low Energy, ANT and 2.4GHz proprietary system-on-chip", Manufacturer="Nordic Semiconductor", Artikkelnr Noca=15079334, Artikkelnr Simpro=N.A., Footprint Doc=QFN-48, LatestRevisionDate=2016-08-25, Manufacturer Part Number=nRF52832-QFAAB0, Part Number=nRF52832-QFAAB0, Pin Count=48, Published=2016-08-25, Publisher="Nordic Semiconductor", Supplier="Nordic Semiconductor", Supplier part number=nRF52832-QFAAB0
U2: "IC MCU 32bit 128kB flash 100LQFP", 2nd source part number=184-1662, Manufacturer=Atmel, Supplier part number=ATSAM3U2CA-AU-ND, 2nd source Supplier=Farnell, Artikkelnr Noca=15019073, Artikkelnr Simpro=N.A., Datasheet=http://www.atmel.com/Images/6430s.pdf, Footprint Doc=LQFP-100, LatestRevisionDate=2012-06-01, Manufacturer Part Number=ATSAM3U2CA-AU, Part Number=ATSAM3U2CA-AU, Pin Count=100, Published=2012-06-01, Publisher="Nordic Semiconductor", Supplier=Digi-Key
U3: "300mA, Low Quiescent Current, Fast Transient Low Dropout Linear Regulator", Manufacturer="Diodes Incorporated", Supplier part number=AP7333-33SAG-7DICT-ND, Artikkelnr Noca=17039216, Artikkelnr Simpro=N.A., Datasheet=http://www.diodes.com/datasheets/AP7333.pdf, Footprint Doc=SOT-23-3, LatestRevisionDate=2012-06-15, Manufacturer Part Number=AP7333-33SAG-7, Part Number=AP7333-33SAG-7, Pin Count=3, Published=2012-06-15, Publisher="Nordic Semiconductor", Supplier=Digi-Key
U4 U5 U6: library part NX3DV2567GU, "Low-ohmic four-pole double-throw analog switch", 2nd source part number=771-NX3DV2567GU115, Manufacturer="NXP Semiconductors", Supplier part number=568-5206-1-ND, 2nd source Supplier=Mouser, Artikkelnr Noca=15079317, Artikkelnr Simpro=N.A., Datasheet=http://www.nxp.com/documents/data_sheet/NX3DV2567.pdf, Footprint Doc=XQFN-16, LatestRevisionDate=2015-02-17, Manufacturer Part Number=NX3DV2567GU, Part Number=NX3DV2567GU, Pin Count=16, Published=2015-02-17, Publisher="Nordic Semiconductor", Supplier=Digi-Key
U7: library part PCAL6408AHK, "8-bit I2C-bus I/O expander with interrupt output", 2nd source part number=771-PCAL6408AHKX, Manufacturer="NXP Semiconductors", Supplier part number=568-9944-1-ND, 2nd source Supplier=Mouser, Artikkelnr Noca=15079321, Artikkelnr Simpro=N.A., Datasheet=http://www.nxp.com/documents/data_sheet/PCAL6408A.pdf, Footprint Doc=XQFN-16, LatestRevisionDate=2015-04-29, Manufacturer Part Number=PCAL6408AHK, Part Number=PCAL6408AHK, Pin Count=16, Published=2015-04-29, Publisher="Nordic Semiconductor", Supplier=Digi-Key
X1: library part XTAL_SMD2016_32MHz_8pF_Epson, "XTAL SMD 2016, 32MHz, Cl=8pF, Tol: ±10ppm, Stab: ±10ppm", Manufacturer="Epson Toyocom", Manufacturer Part Number=Q22FA12800025, Supplier part number=171-2806, Artikkelnr Noca=22019238, Artikkelnr Simpro=N.A., Datasheet=http://www.epsondevice.com/docs/qd/en/DownloadServlet?id=ID000449, Footprint Doc=XTAL_2016, LatestRevisionDate=2014-11-27, Note="XTAL SMD 32.000MHz", Part Number=XTAL_SMD2016_32MHz_8pF_Epson, Pin Count=4, Published=2012-03-09, Publisher="Nordic Semiconductor", Supplier=Farnell